# Allegro board 1156197-TDI_VU3P_QSFP28_CXP_V001_1023A-166-20241121_1644_PCB.brd (continued)
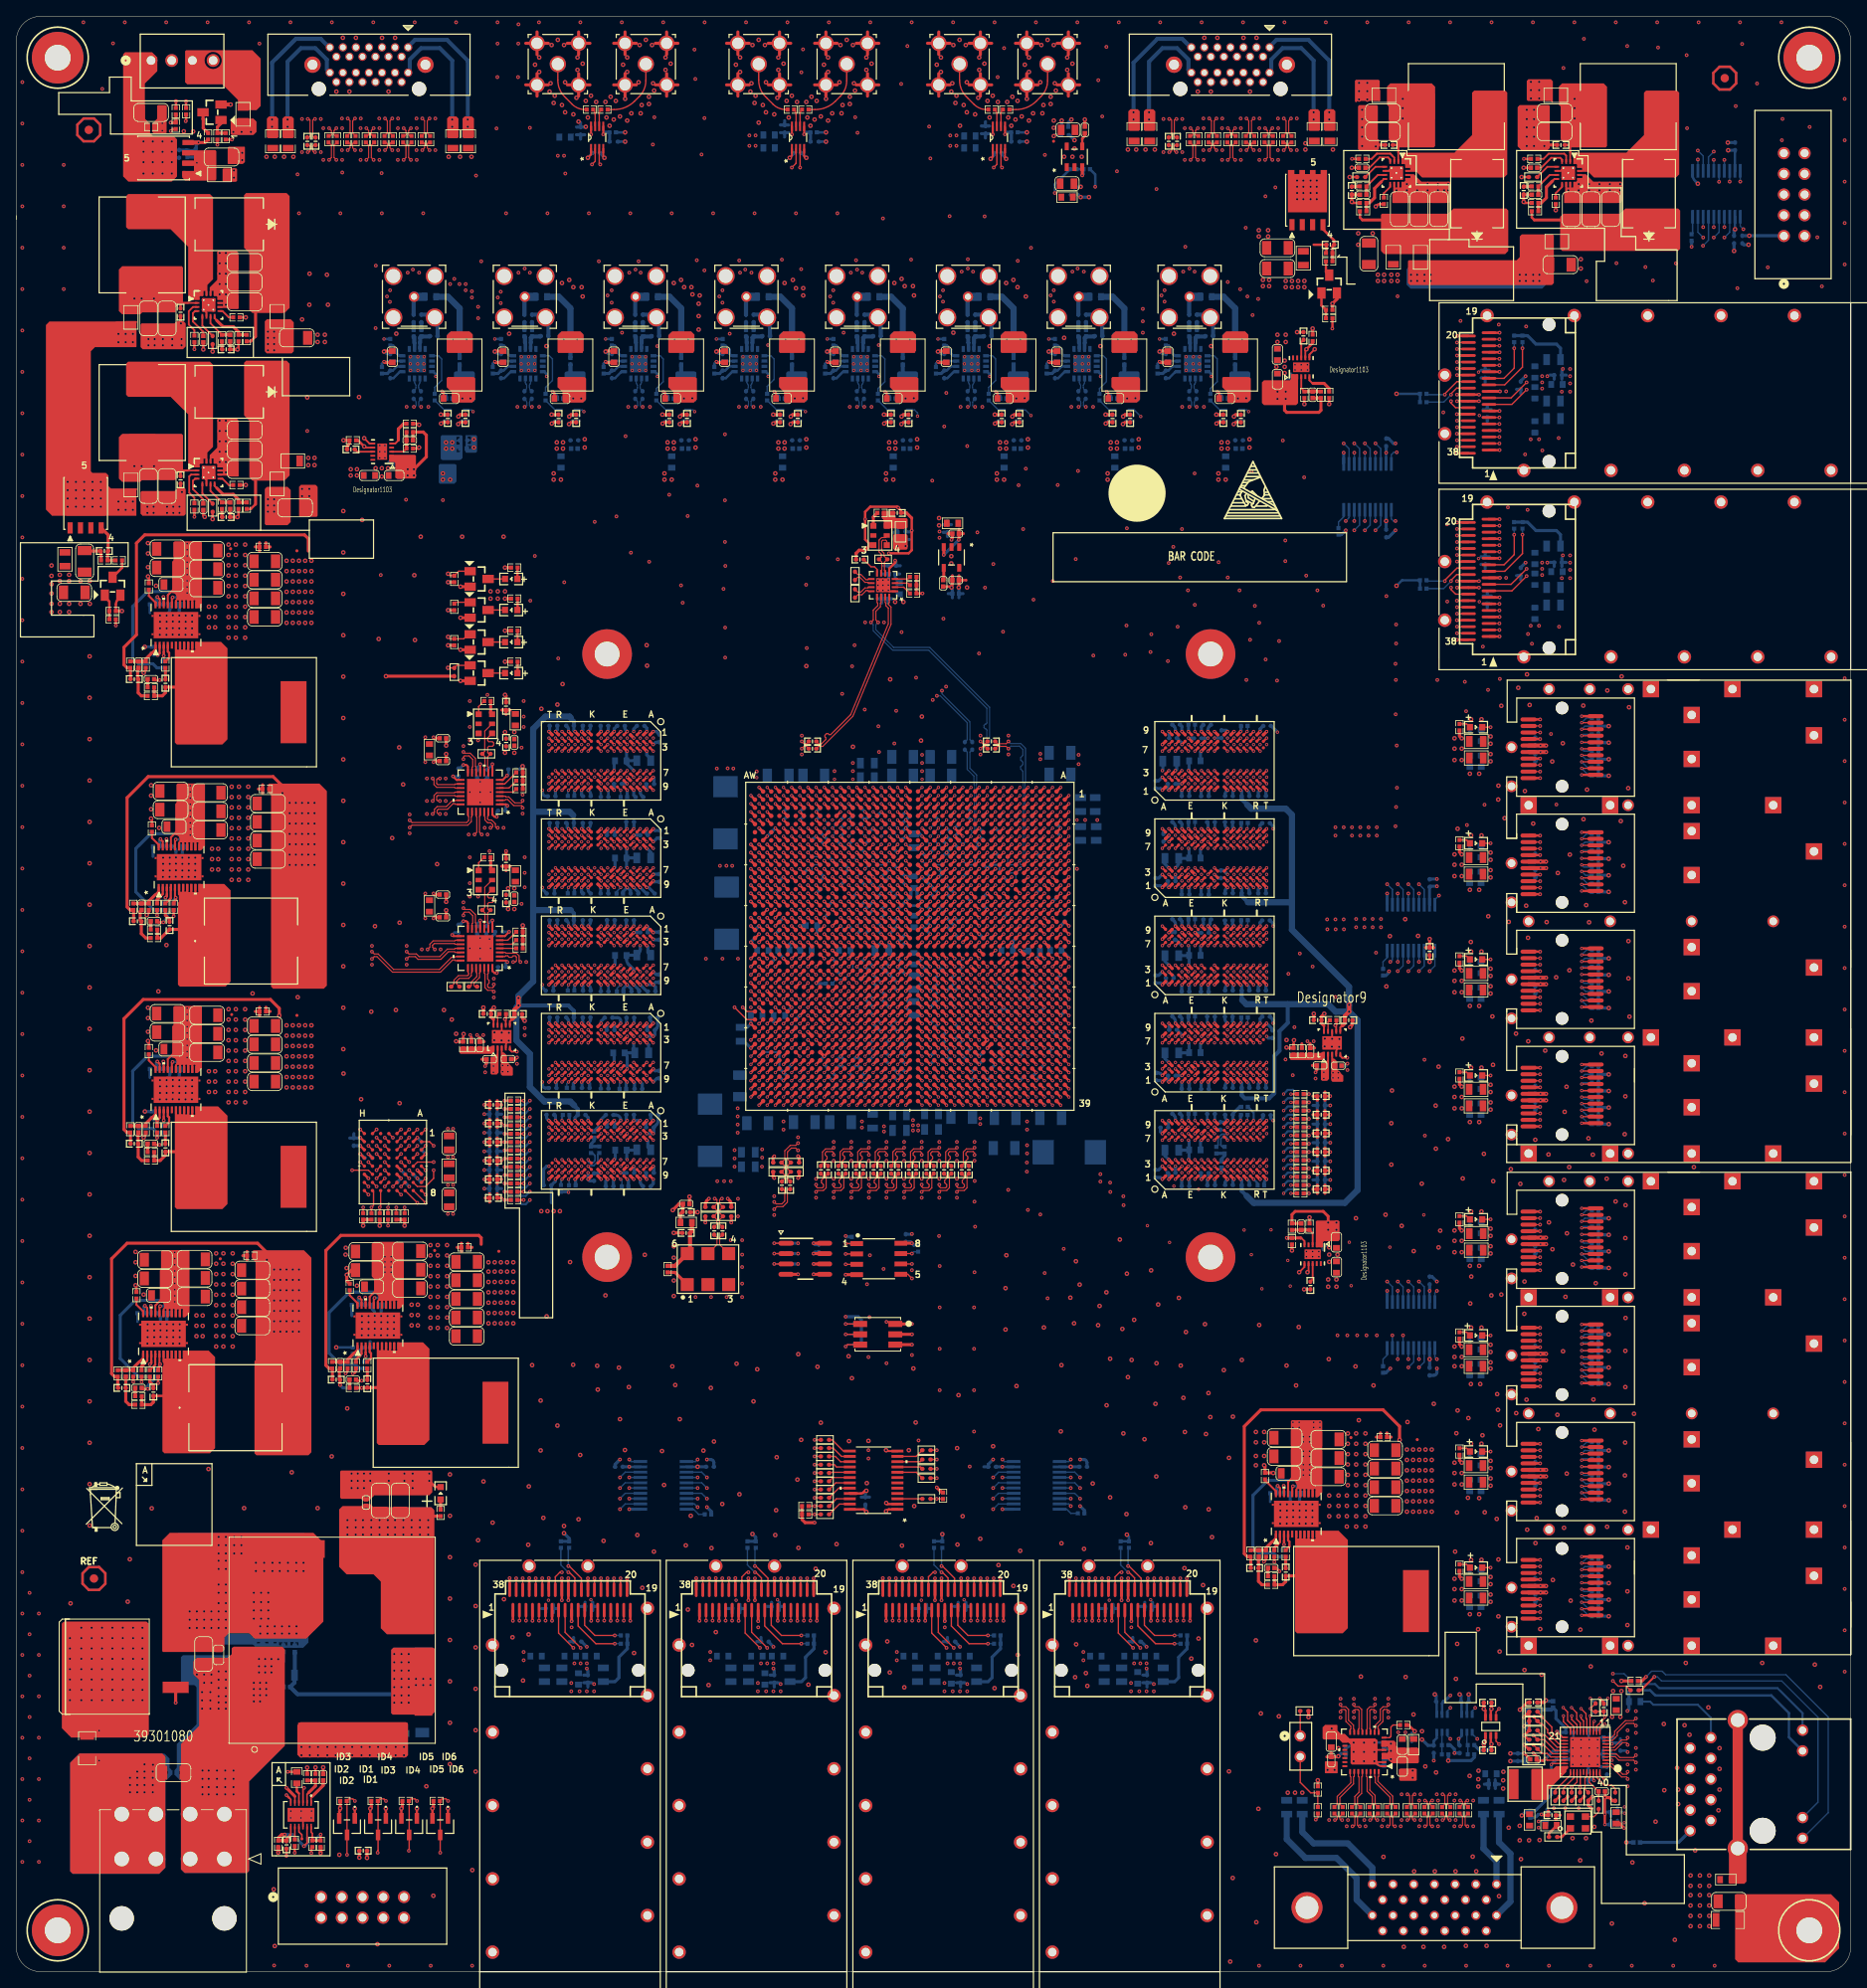
[diagram p0: board, top side]
## Copper pours and planes (outline as drawn; the poured copper is in the pictures) (continued)
VCC3V3 on TOP: 178.54,137.61 178.67,137.49 178.67,133.93 178.54,133.8 176.18,133.8 176.02,133.96 176.02,137.39 176.25,137.61
VCC3V3 on TOP: 178.54,77.21 178.67,77.08 178.67,73.52 178.54,73.4 176.18,73.4 176.02,73.55 176.02,76.98 176.25,77.21
VCC3V3 on TOP: 195.73,18.57 197.51,18.57 197.64,18.45 197.64,17.43 197.51,17.3 195.73,17.3 195.61,17.43 195.61,18.45
VCC3V3 on TOP: 51.31,131.06 51.44,131.19 51.44,132.59 51.31,132.72 49.91,132.72 49.78,132.59 49.78,131.19 49.91,131.06
VCC3V3 on TOP: 59.44,151.18 59.44,153.24 59.64,153.44 61.62,153.44 61.67,153.39 61.67,151.23 61.52,151.08 59.54,151.08 ; 3 cut-outs
VCC3V3 on TOP: 159.38,87.12 159.51,87.25 160.27,87.25 160.4,87.12 160.4,86.49 160.66,86.23 162.18,86.23 162.31,86.11 162.31,83.95 162.18,83.82 159.64,83.82 159.38,84.07
VCC3V3 on TOP: 187.86,18.41 187.86,17.53 187.73,17.4 185.29,17.4 185.17,17.53 185.17,18.41 185.29,18.54 186.18,18.54 186.31,18.67 187.07,18.67 187.2,18.54 187.73,18.54
VCC3V3 on TOP: 178.54,109.11 178.67,108.98 178.67,105.43 178.54,105.3 176.18,105.3 176.02,105.46 176.02,108.89 176.25,109.11
VCC3V3 on BOTTOM: 171.02,29.9 172.67,29.9 172.8,29.77 172.8,28.24 172.67,28.12 171.02,28.12 170.89,28.24 170.89,29.77
VCC3V3 on BOTTOM: 177.24,151.86 177.62,151.48 178.77,151.48 178.89,151.36 178.89,148.95 178.79,148.84 177.93,148.84 177.42,148.34 176.28,148.34 176.02,148.59 176.02,151.64 176.25,151.86 ; 2 cut-outs
VCC3V3 on BOTTOM: 91.95,226.01 92.08,225.88 92.08,224.87 91.95,224.74 89.79,224.74 89.66,224.87 89.66,225.88 89.79,226.01
VCC3V3 on BOTTOM: 67.44,224.16 67.44,222.63 67.31,222.5 66.04,222.5 65.91,222.63 65.91,225.55 66.17,225.81 66.8,225.81 67.06,225.55 67.06,224.54
VCC3V3 on BOTTOM: 107.42,176.12 107.19,175.9 107.19,174.75 107.34,174.6 109.7,174.6 109.86,174.75 109.86,176.02 109.75,176.12
VCC3V3 on BOTTOM: 70.74,35.69 71.12,36.07 72.77,36.07 72.9,35.94 72.9,34.29 72.77,34.16 64.01,34.16 63.88,34.29 63.88,35.94 64.01,36.07 67.82,36.07 68.2,35.69
VCC3V3 on BOTTOM: 177.24,48.7 177.62,48.32 178.77,48.32 178.89,48.2 178.89,45.79 178.79,45.69 177.93,45.69 177.42,45.18 176.28,45.18 176.02,45.43 176.02,48.48 176.25,48.7 ; 2 cut-outs
VCC3V3 on BOTTOM: 177.24,77.21 177.62,76.82 178.77,76.82 178.89,76.7 178.89,74.29 178.79,74.19 177.93,74.19 177.42,73.68 176.28,73.68 176.02,73.93 176.02,76.98 176.25,77.21 ; 2 cut-outs
VCC3V3 on BOTTOM: 196.57,17.3 197.51,17.3 197.64,17.43 197.64,18.57 197.51,18.7 196.39,18.7 196.27,18.57 196.27,17.6
VCC3V3 on BOTTOM: 112.8,178.66 112.93,178.79 114.83,178.79 114.96,178.66 114.96,177.52 114.83,177.39 113.54,177.39 113.44,177.29 112.9,177.29 112.8,177.39
VCC3V3 on BOTTOM: 116.51,35.69 116.89,36.07 118.54,36.07 118.67,35.94 118.67,34.29 118.54,34.16 109.78,34.16 109.65,34.29 109.65,35.94 109.78,36.07 113.59,36.07 113.97,35.69
VCC3V3 on BOTTOM: 162.43,85.98 162.31,86.11 160.66,86.11 160.53,85.98 160.53,83.82 160.66,83.69 162.18,83.69 162.43,83.95
VCC3V3 on BOTTOM: 177.24,62.95 177.62,62.57 178.77,62.57 178.89,62.45 178.89,60.04 178.79,59.94 177.93,59.94 177.42,59.43 176.28,59.43 176.02,59.68 176.02,62.73 176.25,62.95 ; 2 cut-outs
VCC3V3 on BOTTOM: 177.24,123.36 177.62,122.98 178.77,122.98 178.89,122.86 178.89,120.44 178.79,120.34 177.93,120.34 177.42,119.83 176.28,119.83 176.02,120.09 176.02,123.14 176.25,123.36 ; 2 cut-outs
VCC3V3 on BOTTOM: 93.62,35.69 94.01,36.07 95.66,36.07 95.78,35.94 95.78,34.29 95.66,34.16 86.89,34.16 86.77,34.29 86.77,35.94 86.89,36.07 90.7,36.07 91.08,35.69
VCC3V3 on BOTTOM: 189.31,173.71 188.93,174.09 188.93,175.74 189.06,175.87 190.71,175.87 190.84,175.74 190.84,166.98 190.71,166.85 189.06,166.85 188.93,166.98 188.93,170.79 189.31,171.17
VCC3V3 on BOTTOM: 186.59,18.83 188.11,18.83 188.24,18.7 188.24,17.56 188.11,17.43 186.59,17.43 186.46,17.56 186.46,18.7
VCC3V3 on BOTTOM: 139.4,35.69 139.78,36.07 141.43,36.07 141.55,35.94 141.55,34.29 141.43,34.16 132.66,34.16 132.54,34.29 132.54,35.94 132.66,36.07 136.47,36.07 136.86,35.69
VCC3V3 on BOTTOM: 177.24,137.61 177.62,137.23 178.77,137.23 178.89,137.11 178.89,134.7 178.79,134.59 177.93,134.59 177.42,134.09 176.28,134.09 176.02,134.34 176.02,137.39 176.25,137.61 ; 2 cut-outs
VCC3V3 on BOTTOM: 189.31,196.59 188.93,196.97 188.93,198.62 189.06,198.75 190.71,198.75 190.84,198.62 190.84,189.86 190.71,189.73 189.06,189.73 188.93,189.86 188.93,193.67 189.31,194.05
VCC3V3 on BOTTOM: 106.65,168.71 106.73,168.78 107.37,168.78 107.43,168.85 107.43,169.15 107.67,169.39 108.94,169.39 109.07,169.27 109.07,167.94 108.89,167.77 106.73,167.77 106.65,167.84
VCC3V3 on BOTTOM: 177.24,109.11 177.62,108.73 178.77,108.73 178.89,108.61 178.89,106.19 178.79,106.09 177.93,106.09 177.42,105.59 176.28,105.59 176.02,105.84 176.02,108.89 176.25,109.11 ; 2 cut-outs
VCC3V3 on BOTTOM: 116.71,224.21 116.71,223.34 116.59,223.22 114.43,223.22 114.3,223.34 114.3,224.21 114.43,224.33 116.59,224.33
VCC3V3 on BOTTOM: 177.24,91.45 177.62,91.07 178.77,91.07 178.89,90.95 178.89,88.54 178.79,88.44 177.93,88.44 177.42,87.93 176.28,87.93 176.02,88.18 176.02,91.23 176.25,91.45 ; 2 cut-outs
VCC3V3 on ART07: 194.31,197.23 198.5,193.04 198.5,44.83 196.47,42.8 176.4,42.8 175.64,43.56 175.64,52.83 173.99,54.48 170.81,54.48 168.91,56.39 168.91,70.36 176.02,77.47 176.02,160.4 178.44,162.81 178.44,194.94 179.2,195.71 181.99,195.71 183.51,197.23
VCC3V3 on POWER09: 55.88,5.97 54.99,6.86 54.99,41.4 54.23,42.16 51.94,42.16 51.37,42.74 51.37,64.45 54.1,67.18 137.54,67.18 141.73,71.37 141.73,87 144.27,89.53 162.43,89.53 164.21,91.31 164.21,146.69 148.34,162.56 106.55,162.56 105.03,161.04 65.79,161.04 65.28,160.53 52.07,160.53 50.61,161.99 50.61,180.78 55.63,185.8 147.7,185.8 153.54,191.64 153.54,209.93 151.13,212.34 20.32,212.34 18.29,214.38 18.29,227.46 19.3,228.47 64.77,228.47 67.06,226.19 125.09,226.19 127.76,228.85 211.58,228.85 213.11,227.33 213.11,215.14 214.12,214.12 220.47,214.12 221.62,212.98 221.62,207.14 221.55,207.07 221.55,202.5 218.06,199.01 218.06,34.8 216.53,33.27 205.61,33.27 202.95,30.61 202.95,7.24 201.68,5.97
VCC3V3 on ART14: 50.04,131.44 60.71,131.44 61.72,132.46 61.72,172.34 61.21,172.85 50.04,172.85 48.83,171.64 48.83,132.65
VCC5V on TOP: 129.03,223.52 129.07,223.56 129.07,224.87 128.65,225.3 128.65,227.58 128.52,227.71 127,227.71 126.87,227.58 126.87,223.77 127.13,223.52
VCC5V on BOTTOM: 116.71,225.68 116.71,224.87 116.59,224.74 114.43,224.74 114.3,224.87 114.3,225.43 114.68,225.81 116.59,225.81
VCC5V on BOTTOM: 91.95,224.49 92.08,224.36 92.08,223.34 91.95,223.22 89.79,223.22 89.66,223.34 89.66,224.36 89.79,224.49
VCC5V on ART07: 88.77,227.97 128.52,227.97 128.91,227.58 128.91,224.03 128.02,223.14 128.02,220.98 127.38,220.34 88.9,220.34 88.14,221.11 88.14,227.33
VCC12V on TOP (solid shape): 27.08,221.23 27.08,219.81 26.95,219.68 25.43,219.68 25.3,219.81 25.3,221.23 25.4,221.34 26.97,221.34
VCC12V on TOP (solid shape): 43.81,57.02 50.9,57.02 51.28,56.64 51.28,41.5 51.18,41.4 45.47,41.4 44.7,42.16 44.7,47.88 43.81,48.77 40.51,48.77 39.6,49.68 39.6,56.74 43.08,56.74 43.08,57.12 42.7,57.12 42.7,56.74 39.6,56.74 40.01,57.15 42.29,57.15 42.55,57.4 43.43,57.4
VCC12V on TOP (solid shape): 160.18,67.53 160.18,58.74 159.69,58.25 159.37,58.25 159.37,59.19 159.32,59.24 159.19,59.24 159.14,59.19 159.14,58.25 158.86,58.25 158.86,59.15 158.81,59.2 158.7,59.2 158.65,59.15 158.65,58.24 158.36,58.24 158.36,59.2 158.31,59.25 158.19,59.25 158.14,59.2 158.14,58.24 157.86,58.24 157.86,59.19 157.81,59.24 157.68,59.24 157.63,59.19 157.63,58.25 157.36,58.25 157.36,59.18 157.31,59.23 157.18,59.23 157.13,59.18 157.13,58.25 157.12,58.24 156.87,58.24 156.87,59.23 156.93,59.29 157.07,59.65 156.9,60 156.9,60.09 156.77,60.22 156.44,60.22 156.34,60.33 156.34,67.56 156.46,67.69 160.02,67.69
VCC12V on TOP (solid shape): 22.77,118.41 22.77,110.81 22.28,110.32 21.96,110.32 21.96,111.26 21.91,111.31 21.78,111.31 21.72,111.26 21.72,110.32 21.45,110.32 21.45,111.22 21.4,111.27 21.28,111.27 21.23,111.22 21.23,110.31 20.94,110.31 20.94,111.27 20.89,111.32 20.77,111.32 20.72,111.27 20.72,110.31 20.45,110.31 20.45,111.26 20.4,111.31 20.27,111.31 20.22,111.26 20.22,110.32 19.95,110.32 19.95,111.25 19.9,111.3 19.77,111.3 19.72,111.25 19.72,110.32 19.7,110.31 19.48,110.31 19.46,110.33 19.46,111.3 19.52,111.36 19.61,111.89 19.17,112.18 19.13,112.2 19.12,112.23 19.12,116.04 19.27,116.19 19.27,118.39 19.43,118.54 22.63,118.54
VCC12V on TOP (solid shape): 23.15,145.71 23.15,138.11 22.66,137.62 22.34,137.62 22.34,138.57 22.29,138.62 22.16,138.62 22.11,138.57 22.11,137.62 21.83,137.62 21.83,138.53 21.78,138.58 21.67,138.58 21.61,138.53 21.61,137.62 21.32,137.62 21.32,138.57 21.27,138.62 21.16,138.62 21.1,138.57 21.1,137.62 20.83,137.62 20.83,138.56 20.78,138.62 20.65,138.62 20.6,138.56 20.6,137.62 20.33,137.62 20.33,138.56 20.28,138.61 20.15,138.61 20.1,138.56 20.1,137.63 20.08,137.61 19.87,137.61 19.84,137.64 19.84,138.61 19.9,138.67 19.99,139.19 19.55,139.49 19.51,139.5 19.5,139.54 19.5,143.34 19.65,143.5 19.65,145.69 19.81,145.85 23.01,145.85
VCC12V on TOP (solid shape): 21.25,88.43 21.25,80.84 20.75,80.35 20.43,80.35 20.43,81.29 20.38,81.34 20.25,81.34 20.2,81.29 20.2,80.35 19.93,80.35 19.93,81.25 19.88,81.3 19.76,81.3 19.71,81.25 19.71,80.34 19.42,80.34 19.42,81.29 19.37,81.35 19.25,81.35 19.2,81.29 19.2,80.34 18.93,80.34 18.93,81.29 18.87,81.34 18.75,81.34 18.7,81.29 18.7,80.34 18.42,80.34 18.42,81.28 18.37,81.33 18.24,81.33 18.19,81.28 18.19,80.35 18.18,80.34 17.93,80.34 17.93,80.54 17.93,80.54 17.93,81.33 17.99,81.39 18.09,81.92 17.64,82.21 17.61,82.23 17.59,82.26 17.59,86.06 17.75,86.22 17.75,88.42 17.9,88.57 21.11,88.57
VCC12V on TOP (solid shape): 47.53,89.45 47.53,81.85 47.04,81.36 46.72,81.36 46.72,82.31 46.67,82.36 46.54,82.36 46.49,82.31 46.49,81.36 46.22,81.36 46.22,82.27 46.16,82.32 46.05,82.32 46,82.27 46,81.36 45.71,81.36 45.71,82.31 45.66,82.36 45.54,82.36 45.49,82.31 45.49,81.36 45.21,81.36 45.21,82.3 45.16,82.35 45.04,82.35 44.99,82.3 44.99,81.36 44.71,81.36 44.71,82.3 44.66,82.35 44.53,82.35 44.48,82.3 44.48,81.37 44.47,81.35 44.25,81.35 44.22,81.38 44.22,82.35 44.31,82.44 44.37,82.95 43.93,83.23 43.89,83.24 43.88,83.28 43.88,85.05 43.59,85.34 43.59,89.33 43.84,89.59 47.4,89.59
VCC12V on TOP (solid shape): 22.77,175.43 22.77,167.42 22.69,167.34 21.96,167.34 21.96,168.28 21.91,168.34 21.78,168.34 21.72,168.28 21.72,167.34 21.45,167.34 21.45,168.25 21.4,168.3 21.28,168.3 21.23,168.25 21.23,167.34 20.94,167.34 20.94,168.29 20.89,168.34 20.77,168.34 20.72,168.29 20.72,167.33 20.45,167.33 20.45,168.28 20.4,168.33 20.27,168.33 20.22,168.28 20.22,167.34 19.95,167.34 19.95,168.28 19.9,168.33 19.77,168.33 19.72,168.28 19.72,167.35 19.7,167.33 19.48,167.33 19.46,167.36 19.46,168.33 19.54,168.42 19.61,168.93 19.17,169.21 19.13,169.22 19.12,169.26 19.12,173.06 19.27,173.22 19.27,175.41 19.43,175.57 22.63,175.57
VCC12V on BOTTOM (solid shape): 51.18,56.77 51.18,53.21 50.67,52.7 40.13,52.7 39.88,52.96 39.88,56.77 40.13,57.02 50.93,57.02
VCC12V on ART03 (solid shape): 50.8,55.63 50.8,53.47 50.67,53.34 40.39,53.34 40.13,53.59 40.13,55.5 40.39,55.75 50.67,55.75
VCC12V on TOP: 6.86,166.62 6.73,166.5 3.81,166.5 3.56,166.75 3.56,172.85 3.68,172.97 6.73,172.97 6.86,172.85
VCC12V on TOP: 129.16,218.06 129.29,218.19 131.7,218.19 131.95,217.93 131.95,216.92 131.83,216.79 129.29,216.79 129.16,216.92
VCC12V on TOP: 155.45,206.38 155.32,206.5 155.32,209.8 155.45,209.93 158.62,209.93 158.88,209.68 158.88,206.63 158.62,206.38
VCC12V on BOTTOM: 40.13,52.7 39.5,53.34 39.5,56.9 38.35,58.04 2.79,58.04 2.03,58.8 2.03,215.26 4.32,217.55 28.83,217.55 30.48,219.2 125.35,219.2 125.98,218.57 125.98,218.06 126.49,217.55 128.4,217.55 128.65,217.81 128.65,218.06 128.91,218.31 131.7,218.31 131.95,218.06 133.48,218.06 135.25,219.84 154.69,219.84 155.96,218.57 155.96,217.68 159.26,214.38 159.26,206.88 158.37,205.99 155.32,205.99 154.81,206.5 154.81,208.66 149.61,213.87 35.43,213.87 34.29,212.72 11.56,212.72 8.26,209.42 8.26,184.4 7.43,183.58 6.29,183.58 5.84,183.13 5.84,179.45 6.1,179.2 6.86,179.2 7.11,178.94 7.11,69.22 11.94,64.39 50.67,64.39 51.94,63.12 51.94,53.21 51.44,52.7
VCC12V on ART03: 15.49,167.51 20.95,167.51 22.28,168.83 22.28,181.99 16.51,187.76 16.51,198.37 15.57,199.31 15.57,200.74 16.28,201.45 16.28,205.64 16.51,205.87 16.51,210.16 18.14,211.79 148.08,211.79 151.68,208.19 153.89,208.19 154.31,207.77 154.31,206.63 154.81,206.12 158.45,206.12 159.26,206.93 159.26,215.52 158.75,216.03 155.8,216.03 155.44,216.4 155.44,219.09 153.03,221.49 97.03,221.49 96.42,220.88 94.46,220.88 93.85,221.49 72.19,221.49 71.93,221.23 70.36,221.23 70.1,221.49 8.46,221.49 2.26,215.29 2.26,164.87 2.67,164.47 12.45,164.47
VCC12V on ART05: 4.32,55.63 1.83,58.12 1.83,227.08 3.78,229.03 63.88,229.03 67.74,225.17 128.4,225.17 128.91,225.68 130.56,225.68 131.06,225.17 162.24,225.17 164.59,222.82 164.59,208.91 161.67,205.99 154.81,205.99 154.31,206.5 154.31,207.52 153.8,208.03 151.64,208.03 147.83,211.84 36.02,211.84 27.53,203.35 27.53,202.82 27.89,202.46 27.89,183.21 27.51,182.83 27.51,181.81 27.88,181.44 27.88,177.87 25.27,175.26 25.27,159.77 26.04,159 26.04,146 25.81,145.77 25.81,133.55 26.04,133.32 26.04,126.62 31.24,121.41 31.24,97.28 38.53,89.99 40.84,89.99 41.3,89.53 48.9,89.53 50.16,88.27 50.16,77.47 50.55,77.09 54.23,77.09 55.94,78.8 61.53,78.8 65.15,82.42 79.78,82.42 79.96,82.25 89.56,82.25 89.74,82.42 125.91,82.42 126.26,82.07 129.74,82.07 130.1,82.42 136.4,82.42 141.1,77.72 160.53,77.72 161.8,76.45 161.8,60.12 160.1,58.42 135.38,58.42 127.18,66.62 73.36,66.62 58.93,52.2 52.32,52.2 51.56,52.96 40.13,52.96 37.47,55.63
VCC12V on ART14: 4.57,177.67 30.48,177.67 31.5,176.66 31.5,97.28 38.99,89.79 38.99,83.31 40.13,82.17 47.24,82.17 48.01,81.41 48.01,76.96 51.44,73.53 54.99,73.53 56.9,71.63 56.9,54.61 54.99,52.7 40.39,52.7 37.47,55.63 4.45,55.63 2.41,57.66 2.41,175.51
VCC12V on ART16: 57.4,62.74 52.45,57.78 52.45,53.21 51.69,52.45 40.64,52.45 37.47,55.63 4.57,55.63 2.41,57.78 2.41,175.51 4.06,177.16 41.27,177.16 42.8,175.64 42.8,109.86 37.85,104.9 37.85,93.09 39.88,91.06 55.88,91.06 57.4,89.53
VCC12V_BST1 on TOP (solid shape): 20.45,188.59 20.45,184.12 20.32,184 19.81,184 19.63,183.82 19.63,183.16 19.56,183.08 15.44,183.08 15.21,182.85 12.98,182.85 12.57,183.26 12.57,188.34 12.99,188.76 20.28,188.76
VCC12V_BST1 on BOTTOM: 14.35,183.01 17.02,183.01 17.27,183.26 17.27,185.04 17.02,185.29 14.35,185.29 14.1,185.04 14.1,183.26
VCC12V_BST2 on TOP (solid shape): 20.45,209.17 20.45,204.72 20.32,204.6 19.81,204.6 19.56,204.34 19.56,203.78 19.44,203.66 15.44,203.66 15.21,203.43 12.98,203.43 12.57,203.84 12.57,208.91 12.99,209.33 20.28,209.33
VCC12V_BST2 on BOTTOM: 14.48,203.58 17.02,203.58 17.27,203.84 17.27,205.61 17.02,205.87 14.48,205.87 14.22,205.61 14.22,203.84
VCC12V_BST3 on TOP (solid shape): 174.03,231.36 174.03,224.07 173.86,223.9 169.44,223.9 169.32,224.03 169.32,224.49 169.16,224.64 168.55,224.64 168.35,224.84 168.35,228.9 168.12,229.13 168.12,231.37 168.53,231.78 173.61,231.78
VCC12V_BST3 on BOTTOM: 168.28,230 168.28,227.33 168.53,227.08 170.31,227.08 170.56,227.33 170.56,230 170.31,230.25 168.53,230.25
VCC12V_BST4 on TOP (solid shape): 195.11,231.36 195.11,224.07 194.94,223.9 190.6,223.9 190.47,224.03 190.47,224.49 190.3,224.66 189.64,224.66 189.43,224.87 189.43,228.9 189.2,229.13 189.2,231.37 189.61,231.78 194.69,231.78
VCC12V_BST4 on BOTTOM: 189.36,230 189.36,227.33 189.61,227.08 191.39,227.08 191.64,227.33 191.64,230 191.39,230.25 189.61,230.25
VCC12V_IN on TOP (solid shape): 37.67,52.65 37.67,42.98 35.59,40.89 29.21,40.89 28.55,41.55 26.06,41.55 25.53,41.02 25.53,39.5 25.27,39.24 18.03,39.24 17.91,39.37 17.91,52.96 18.82,53.87 36.45,53.87
VCC12V_IN on BOTTOM (solid shape): 35.84,53.37 35.84,40.41 35.18,39.75 29.44,39.75 29.13,40.06 34.59,40.06 34.59,40.44 34.21,40.44 34.21,40.06 33.22,40.06 33.22,40.08 34.01,40.08 34.01,40.46 33.63,40.46 33.63,40.08 33.22,40.08 33.22,40.44 32.84,40.44 32.84,40.06 32.61,40.06 32.61,40.44 32.23,40.44 32.23,40.06 29.13,40.06 29.11,40.08 31.93,40.08 31.93,40.46 31.55,40.46 31.55,40.08 29.9,40.08 29.9,40.11 30.91,40.11 30.91,40.49 30.53,40.49 30.53,40.11 29.9,40.11 29.9,40.46 29.51,40.46 29.51,40.08 29.11,40.08 29.03,40.16 19.41,40.16 18.92,40.64 18.92,52.96 19.84,53.87 35.33,53.87
VCC12V_IN on GND02 (solid shape): 35.94,53.21 35.94,41.66 34.8,40.51 29.84,40.51 28.83,41.53 19.56,41.53 18.92,42.16 18.92,52.96 19.81,53.85 35.31,53.85
VCC12V_IN on ART03 (solid shape): 35.94,53.21 35.94,41.66 34.8,40.51 29.84,40.51 28.83,41.53 19.56,41.53 18.92,42.16 18.92,52.96 19.81,53.85 35.31,53.85
VCC12V_IN on GND04 (solid shape): 35.94,53.21 35.94,41.66 34.8,40.51 29.84,40.51 28.83,41.53 19.56,41.53 18.92,42.16 18.92,52.96 19.81,53.85 35.31,53.85
VCC12V_IN on ART05 (solid shape): 35.94,53.21 35.94,41.66 34.8,40.51 29.84,40.51 28.83,41.53 19.56,41.53 18.92,42.16 18.92,52.96 19.81,53.85 35.31,53.85
VCC12V_IN on GND06 (solid shape): 35.94,53.21 35.94,41.66 34.8,40.51 29.84,40.51 28.83,41.53 19.56,41.53 18.92,42.16 18.92,52.96 19.81,53.85 35.31,53.85
VCC12V_IN on ART07 (solid shape): 35.94,53.21 35.94,41.66 34.8,40.51 29.84,40.51 28.83,41.53 19.56,41.53 18.92,42.16 18.92,52.96 19.81,53.85 35.31,53.85
VCC12V_IN on GND08 (solid shape): 35.94,53.21 35.94,41.66 34.8,40.51 29.84,40.51 28.83,41.53 19.56,41.53 18.92,42.16 18.92,52.96 19.81,53.85 35.31,53.85
VCC12V_IN on POWER09 (solid shape): 35.94,53.21 35.94,41.66 34.8,40.51 29.84,40.51 28.83,41.53 19.56,41.53 18.92,42.16 18.92,52.96 19.81,53.85 35.31,53.85
VCC12V_IN on POWER10 (solid shape): 35.94,53.21 35.94,41.66 34.8,40.51 29.84,40.51 28.83,41.53 19.56,41.53 18.92,42.16 18.92,52.96 19.81,53.85 35.31,53.85
VCC12V_IN on GND11 (solid shape): 35.94,53.21 35.94,41.66 34.8,40.51 29.84,40.51 28.83,41.53 19.56,41.53 18.92,42.16 18.92,52.96 19.81,53.85 35.31,53.85
VCC12V_IN on GND13 (solid shape): 35.94,53.21 35.94,41.66 34.8,40.51 29.84,40.51 28.83,41.53 19.56,41.53 18.92,42.16 18.92,52.96 19.81,53.85 35.31,53.85
VCC12V_IN on ART14 (solid shape): 35.94,53.21 35.94,41.66 34.8,40.51 29.84,40.51 28.83,41.53 19.56,41.53 18.92,42.16 18.92,52.96 19.81,53.85 35.31,53.85
VCC12V_IN on GND15 (solid shape): 35.94,53.21 35.94,41.66 34.8,40.51 29.84,40.51 28.83,41.53 19.56,41.53 18.92,42.16 18.92,52.96 19.81,53.85 35.31,53.85
VCC12V_IN on ART16 (solid shape): 35.94,53.21 35.94,41.66 34.8,40.51 29.84,40.51 28.83,41.53 19.56,41.53 18.92,42.16 18.92,52.96 19.81,53.85 35.31,53.85
VCC12V_IN on GND17 (solid shape): 35.94,53.21 35.94,41.66 34.8,40.51 29.84,40.51 28.83,41.53 19.56,41.53 18.92,42.16 18.92,52.96 19.81,53.85 35.31,53.85
VCC12V_IN on ART12: 20.95,38.73 20.95,40.64 19.05,42.55 19.05,52.96 19.81,53.72 34.54,53.72 35.88,52.39 35.88,39.88 33.02,37.02 33.02,26.54 34.16,25.4 35.94,25.4 36.2,25.15 36.2,24.89 36.58,24.51 37.85,24.51 38.1,24.26 38.1,18.54 36.2,16.64 36.2,14.1 35.31,13.21 30.86,13.21 29.08,14.99 29.08,19.94 26.29,22.73 26.29,37.21 25.91,37.59 22.1,37.59
VCC12V_IN_CON on TOP (solid shape): 18.29,26.41 18.29,12.78 17.53,12.02 6.9,12.02 6.6,12.32 6.6,25.65 7.74,26.79 17.91,26.79
VCC12V_IN_CON on BOTTOM (solid shape): 18.8,26.16 18.8,25.02 19.05,24.77 19.05,24.13 18.29,23.37 18.29,12.75 17.53,11.99 6.93,11.99 6.6,12.32 6.6,24.26 18.8,24.26 18.8,24.64 18.41,24.64 18.41,24.26 6.6,24.26 6.6,25.65 7.71,26.76 18.2,26.76
VCC12V_IN_CON on ART05: 17.65,12.19 12.57,12.19 12.06,12.7 12.06,22.35 15.62,25.91 17.53,25.91 18.29,25.15 18.29,12.83
VCC12V_IN_CON on ART07: 37.59,13.97 36.7,13.08 32,13.08 27.81,8.89 12.83,8.89 12.06,9.65 12.06,22.35 15.62,25.91 17.65,25.91 18.29,25.27 18.29,12.06 19.18,11.18 27.94,11.18 30.1,13.34 30.1,15.59 30.08,15.61 30.61,16.13 37.34,16.13 37.59,15.88
VDD10 on TOP: 182.14,25.18 184.18,25.18 184.3,25.05 184.3,21.11 184.18,20.99 182.14,20.99 182.02,21.11 182.02,25.05
VDD10 on TOP: 197,33.18 195.8,33.18 195.71,33.27 195.71,34.04 195.58,34.16 195.58,34.54 195.74,34.7 197,34.7 197.13,34.57 197.13,33.3
VDD10 on BOTTOM: 181.26,25.05 182.65,25.05 182.78,24.92 182.78,21.87 182.65,21.75 181.26,21.75 181.13,21.87 181.13,24.92
VDD10 on ART05: 195.58,35.31 184.15,35.31 183.24,34.39 183.24,28.3 181.67,26.73 181.67,22.29 182.88,21.08 188.11,21.08 189.28,22.25 189.28,27.03 189.99,27.74 189.99,28.91 190.35,29.26 190.35,32.66 190.53,32.84 196.55,32.84 197.74,34.04 197.74,34.8 197.36,35.18 195.71,35.18
(no net) on TOP: 30.48,181.99 30.73,182.25 33.27,182.25 33.66,181.86 33.66,177.93 33.27,177.55 30.61,177.55 30.48,177.67
(no net) on TOP: 30.48,202.56 30.73,202.82 33.66,202.82 34.04,202.44 34.04,198.88 33.78,198.63 30.72,198.63 30.48,198.87
(no net) on TOP: 188.59,207.26 188.34,207.01 170.94,207.01 170.69,207.26 170.69,209.93 170.81,210.06 184.02,210.06 184.4,210.44 184.4,212.98 184.66,213.23 188.47,213.23 188.59,213.11
(no net) on TOP: 34.67,178.69 34.67,182.25 34.92,182.5 36.7,182.5 36.96,182.25 36.96,178.69 36.83,178.56 34.8,178.56
(no net) on TOP: 12.27,202.54 12.14,202.41 12.14,199.62 12.27,199.49 14.81,199.49 14.94,199.62 14.94,202.41 14.81,202.54
(no net) on TOP: 11.3,182.35 11.3,183.64 10.99,183.96 9.33,183.96 9.14,184.15 9.14,198.88 9.65,199.39 14.73,199.39 14.86,199.52 14.86,202.44 14.76,202.54 4.06,202.54 3.63,202.11 3.63,179.45 4.39,178.69 14.73,178.69 14.94,178.89 14.94,181.89 14.78,182.04 11.61,182.04
(no net) on TOP: 185.27,232.08 185.27,229.74 185.6,229.41 188.39,229.41 188.47,229.49 188.47,232.03 188.21,232.28 185.47,232.28
(no net) on TOP: 167.23,232.08 167.11,232.21 164.31,232.21 164.19,232.08 164.19,229.54 164.31,229.41 167.11,229.41 167.23,229.54
(no net) on BOTTOM: 54.99,188.47 54.99,186.56 55.12,186.44 56.39,186.44 56.52,186.56 56.52,188.47 56.39,188.59 55.12,188.59 ; 3 cut-outs
(no net) on BOTTOM: 53.85,185.04 53.98,184.91 53.98,182.88 53.72,182.63 51.94,182.63 51.82,182.75 51.82,184.91 51.94,185.04
(no net) on BOTTOM: 52.2,185.55 52.07,185.67 52.07,188.47 52.2,188.59 54.61,188.59 54.74,188.47 54.74,185.8 54.48,185.55 ; 3 cut-outs
CHA_1V25_CXP1 on BOTTOM (solid shape): 54.74,188.47 54.74,185.8 54.48,185.55 52.2,185.55 52.07,185.67 52.07,186.51 54.41,186.51 54.41,186.89 54.03,186.89 54.03,186.51 52.07,186.51 52.07,187.43 54.36,187.43 54.36,187.81 53.98,187.81 53.98,187.43 52.07,187.43 52.07,188.01 54.36,188.01 54.36,188.39 53.98,188.39 53.98,188.01 52.07,188.01 52.07,188.47 52.2,188.59 54.61,188.59
CHA_1V25_CXP1 on ART12: 45.85,200.66 46.13,200.38 46.13,197.64 45.85,197.36 44.63,197.36 44.5,197.23 44.5,195.81 45.24,195.07 49.15,195.07 50.29,196.22 51.69,196.22 51.82,196.09 51.82,193.8 52.12,193.5 52.73,193.5 53.98,192.25 53.98,187.07 53.59,186.69 51.26,186.69 50.75,187.2 50.75,190.4 50.09,191.06 44.4,191.06 43.18,192.28 43.18,200.53 43.31,200.66
CHA_1V25_CXP2 on BOTTOM: 65.79,185.55 65.66,185.67 65.66,188.47 65.79,188.59 68.2,188.59 68.33,188.47 68.33,185.8 68.07,185.55 ; 3 cut-outs
CHA_1V25_CXP2 on ART12: 59.44,200.66 59.72,200.38 59.72,197.64 59.44,197.36 58.22,197.36 58.09,197.23 58.09,195.81 58.83,195.07 62.74,195.07 63.88,196.22 65.28,196.22 65.41,196.09 65.41,194.56 65.15,194.31 65.15,190.75 65.41,190.5 66.04,190.5 67.56,188.98 67.56,187.07 67.18,186.69 62.36,186.69 56.77,192.28 56.77,200.53 56.9,200.66
CHA_1V25_CXP3 on BOTTOM: 79.38,185.55 79.25,185.67 79.25,188.47 79.38,188.59 81.79,188.59 81.92,188.47 81.92,185.8 81.66,185.55 ; 3 cut-outs
CHA_1V25_CXP3 on ART12: 73.03,200.66 73.3,200.38 73.3,197.64 73.03,197.36 71.81,197.36 71.68,197.23 71.68,195.81 72.42,195.07 76.33,195.07 77.47,196.22 78.87,196.22 78.99,196.09 78.99,194.56 78.74,194.31 78.74,190.75 78.99,190.5 79.63,190.5 81.15,188.98 81.15,187.07 80.77,186.69 77.09,186.69 74.68,189.1 73.53,189.1 70.36,192.28 70.36,200.53 70.48,200.66
CHA_1V25_CXP4 on BOTTOM: 92.96,185.55 92.84,185.67 92.84,188.47 92.96,188.59 95.38,188.59 95.5,188.47 95.5,185.8 95.25,185.55 ; 3 cut-outs
CHA_1V25_CXP4 on ART12: 86.61,200.66 86.89,200.38 86.89,197.64 86.61,197.36 85.39,197.36 85.27,197.23 85.27,195.81 86,195.07 89.92,195.07 91.06,196.22 92.46,196.22 92.58,196.09 92.58,194.56 92.33,194.31 92.33,190.75 92.58,190.5 93.22,190.5 94.74,188.98 94.74,187.07 94.36,186.69 89.53,186.69 83.95,192.28 83.95,200.53 84.07,200.66
CHA_1V25_CXP5 on BOTTOM: 106.55,185.55 106.43,185.67 106.43,188.47 106.55,188.59 108.97,188.59 109.09,188.47 109.09,185.8 108.84,185.55 ; 3 cut-outs
CHA_1V25_CXP5 on ART12: 100.2,200.66 100.48,200.38 100.48,197.64 100.2,197.36 98.98,197.36 98.86,197.23 98.86,195.81 99.59,195.07 103.5,195.07 104.65,196.22 106.05,196.22 106.17,196.09 106.17,194.56 105.92,194.31 105.92,190.75 106.17,190.5 106.81,190.5 108.33,188.98 108.33,187.07 107.95,186.69 103.12,186.69 97.54,192.28 97.54,200.53 97.66,200.66
CHA_1V25_CXP6 on BOTTOM: 120.14,185.55 120.02,185.67 120.02,188.47 120.14,188.59 122.56,188.59 122.68,188.47 122.68,185.8 122.43,185.55 ; 3 cut-outs
CHA_1V25_CXP6 on ART12: 113.79,200.66 114.07,200.38 114.07,197.64 113.79,197.36 112.57,197.36 112.45,197.23 112.45,195.81 113.18,195.07 117.09,195.07 118.24,196.22 119.63,196.22 119.76,196.09 119.76,194.56 119.51,194.31 119.51,190.75 119.76,190.5 120.4,190.5 121.92,188.98 121.92,187.07 121.54,186.69 117.47,186.69 111.12,193.04 111.12,200.53 111.25,200.66
